# KiCad board dsp-amplifier-x4.kicad_pcb (continued)
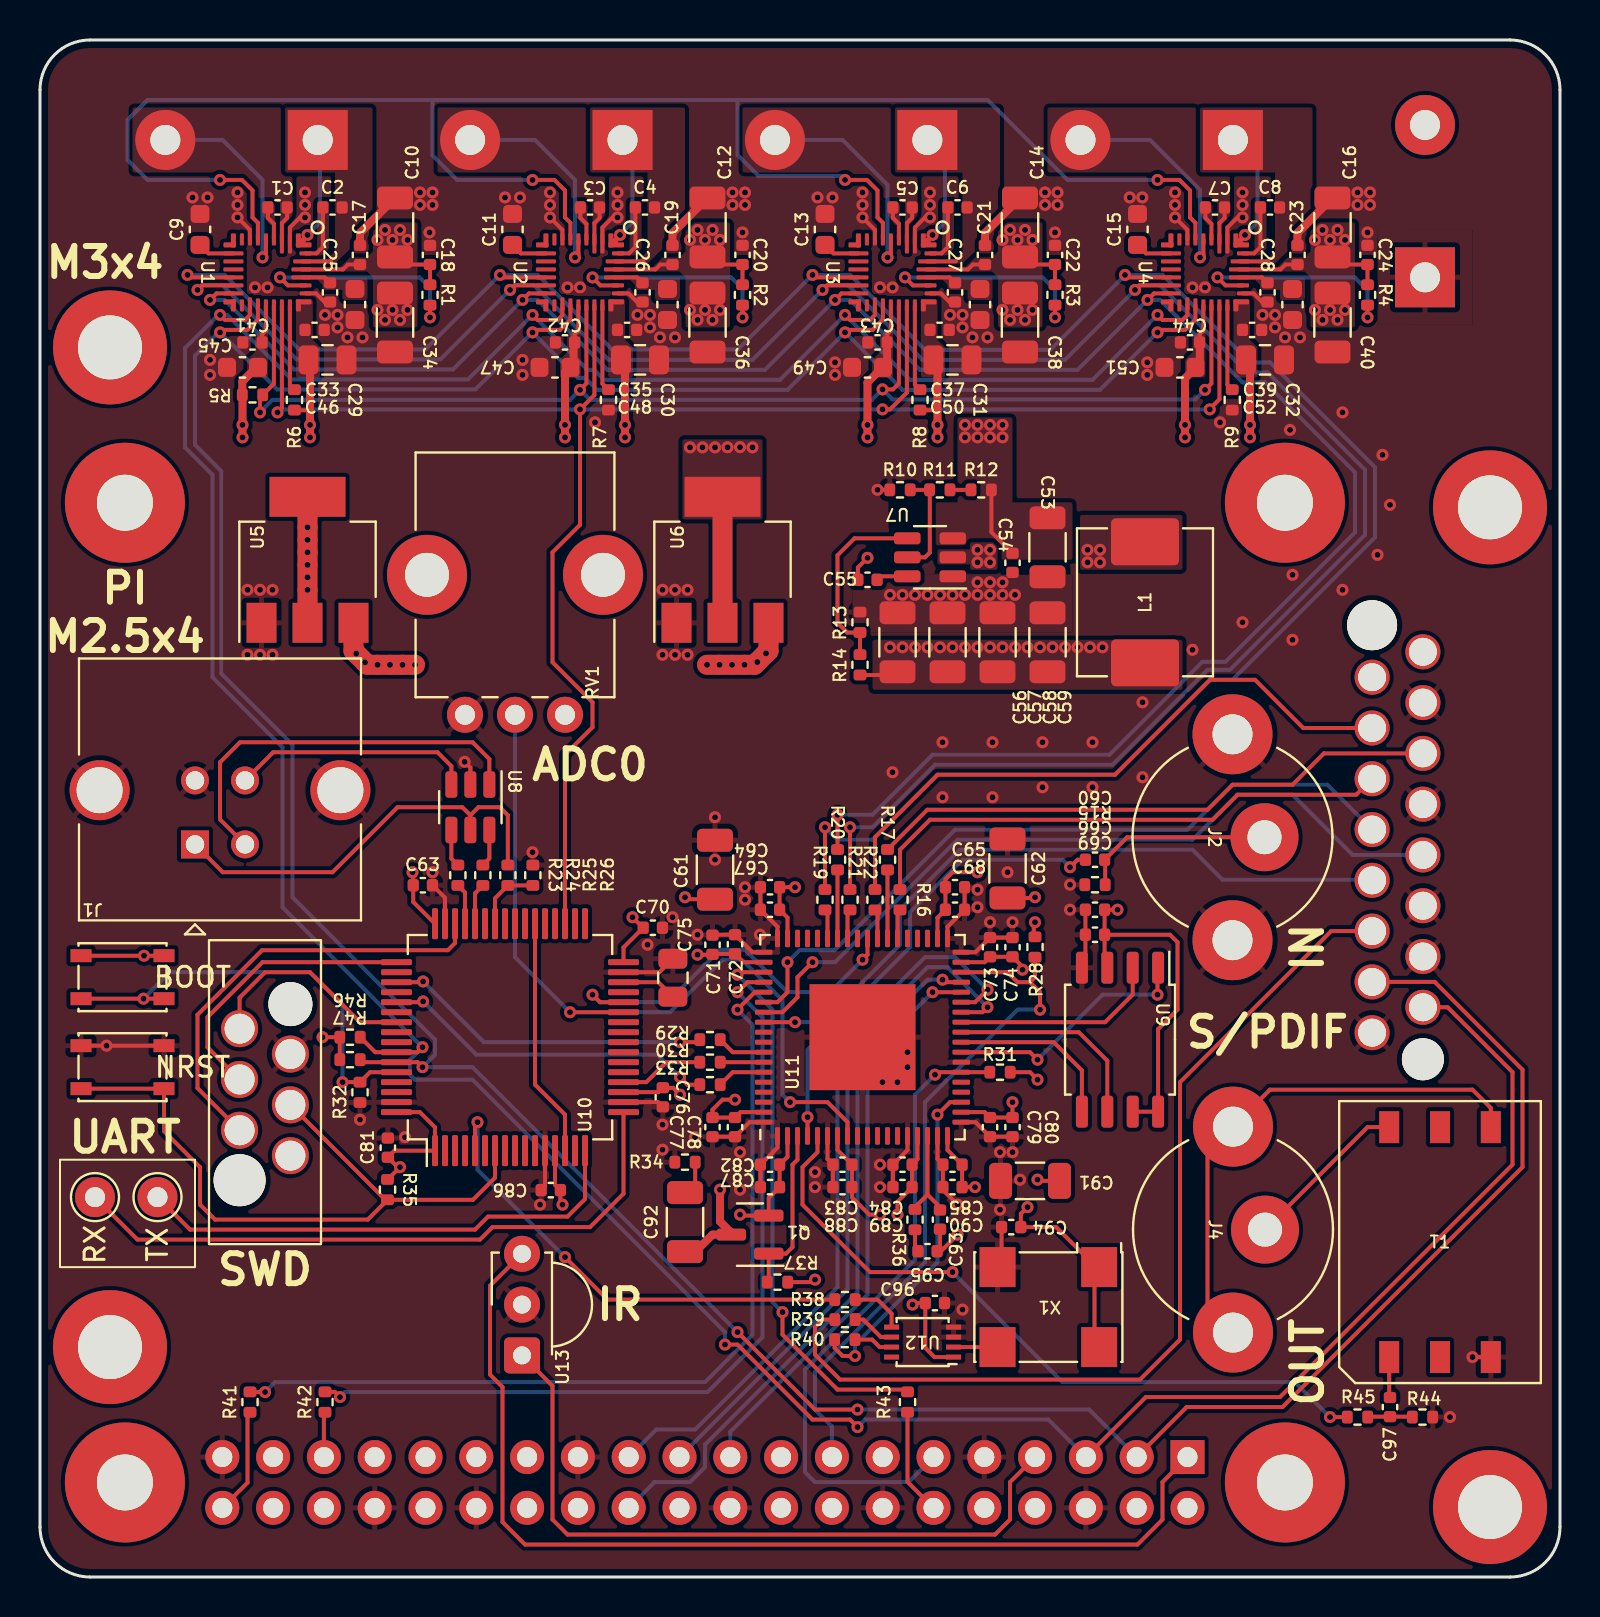
[diagram p0: board, top side]
## Copper pours and planes (outline as drawn; the poured copper is in the pictures) (continued)
+3.3V on Top: 26,60.88 26.38,61.25 26.38,62.05 26.82,62.5 26.82,62.75 27.02,62.75 27.02,60 26,60
+3.3V on Top: 10.38,60.88 10.75,61.25 10.75,62.05 11.2,62.5 11.2,62.75 11.4,62.75 11.4,60 10.38,60
+3.3V on Top: 26,60.88 26.38,61.25 26.38,62.05 26.82,62.5 26.82,62.75 27.02,62.75 27.02,60 26,60
+3.3V on In2.Cu: 76,60.38 76,0 0,0 0,60.38
+5V on Top, In2.Cu: 41.62,46.88 57.12,46.88 57.12,44.38 41.62,44.38
+5V on In2.Cu: 76,0 53.5,0 53.5,9.62 63.12,9.62 63.12,44.38 15.12,44.38 15.12,46.88 76,46.88
/Amplifiers/I2S-AMP-2CH-A/VBAT on Top: 62,64.38 61,64.38 61,64.62 60.62,65 63.25,65 63.25,63.88 62,63.88
/Amplifiers/I2S-AMP-2CH-B/VBAT on Top: 46.38,64.38 45.38,64.38 45.38,64.62 45,65 47.62,65 47.62,63.88 46.38,63.88
/Amplifiers/I2S-AMP-2CH-C/VBAT on Top: 30.75,64.38 29.75,64.38 29.75,64.62 29.38,65 32,65 32,63.88 30.75,63.88
/Amplifiers/I2S-AMP-2CH-D/VBAT on Top: 15.12,64.38 14.12,64.38 14.12,64.62 13.75,65 16.38,65 16.38,63.88 15.12,63.88
/DVDD on In2.Cu: 49.62,30.75 49.12,23.25 33.38,18.62 37.38,35.12
GND on Top: 44.88,67.62 44.12,67.62 44.12,69.62 44.88,69.62
GND on Top: 60.12,63.62 56.5,63.62 56.5,66.88 60.12,66.88
GND on Top: 13.25,63.62 9.62,63.62 9.62,66.88 13.25,66.88
GND on Top: 13.25,63.62 9.62,63.62 9.62,66.88 13.25,66.88
GND on Top: 44.5,63.62 40.88,63.62 40.88,66.88 44.5,66.88
GND on Top: 68.5,57.62 3.12,57.62 3.12,74.25 68.5,74.25
GND on Top: 28.88,63.62 25.25,63.62 25.25,66.88 28.88,66.88
GND on Top: 51.62,47.25 40.62,47.25 40.62,50.12 51.62,50.12
GND on Top: 60.12,63.62 56.5,63.62 56.5,66.88 60.12,66.88
GND on Top: 28.88,63.62 25.25,63.62 25.25,66.88 28.88,66.88
GND on Top: 44.88,67.62 44.12,67.62 44.12,69.62 44.88,69.62
GND on Top: 44.88,67.62 44.12,67.62 44.12,69.62 44.88,69.62
GND on Top: 13.25,63.62 9.62,63.62 9.62,66.88 13.25,66.88
GND on Top: 41.5,67.62 40.75,67.62 40.75,69.62 41.5,69.62
GND on Top: 44.5,63.62 40.88,63.62 40.88,66.88 44.5,66.88
GND on Top: 60.12,63.62 56.5,63.62 56.5,66.88 60.12,66.88
GND on Top: 41.5,67.62 40.75,67.62 40.75,69.62 41.5,69.62
GND on Top: 41.5,67.62 40.75,67.62 40.75,69.62 41.5,69.62
GND on Top: 44.5,63.62 40.88,63.62 40.88,66.88 44.5,66.88
GND on Top: 28.88,63.62 25.25,63.62 25.25,66.88 28.88,66.88
GND on Top, Bottom: 71.62,62.62 66.88,62.62 66.88,67.38 71.62,67.38
GND on Top, Bottom, In1.Cu: 76,0 0,0 0,76.88 76,76.88
/Amplifiers/I2S-AMP-2CH-A/SKP_OUTA+ on Top: 59.5,68.12 59.12,67.62 58.88,67.62 58.88,68.75 57.5,68.75 56,70.25 50.38,70.25 50.38,73.5 59.5,73.5
/Amplifiers/I2S-AMP-2CH-A/SKP_OUTA- on Top: 58,70.25 58,73.5 63.62,73.5 63.62,67.5 61.75,65.7 60.88,65.7 60.88,65.9 61.35,65.9 61.75,66.3 61.75,70.25
/Amplifiers/I2S-AMP-2CH-B/SKP_OUTA+ on Top: 43.88,68.12 43.5,67.62 43.25,67.62 43.25,68.75 41.88,68.75 40.38,70.25 35.12,70.25 35.12,73.5 43.88,73.5
/Amplifiers/I2S-AMP-2CH-B/SKP_OUTA- on Top: 42.75,70.25 42.75,73.5 48,73.5 48,67.5 46.12,65.7 45.25,65.7 45.25,65.9 45.73,65.9 46.12,66.3 46.12,70.25
/Amplifiers/I2S-AMP-2CH-C/SKP_OUTA+ on Top: 28.25,68.12 27.88,67.62 27.62,67.62 27.62,68.75 26.25,68.75 24.75,70.25 19.88,70.25 19.88,73.5 28.25,73.5
/Amplifiers/I2S-AMP-2CH-C/SKP_OUTA- on Top: 27.5,70.25 27.5,73.5 32.25,73.5 32.25,67.5 30.38,65.7 29.5,65.7 29.5,65.9 29.98,65.9 30.38,66.3 30.38,70.25
/Amplifiers/I2S-AMP-2CH-D/SKP_OUTA+ on Top: 12.62,68.12 12.25,67.62 12,67.62 12,68.75 10.62,68.75 9.12,70.25 4.62,70.25 4.62,73.5 12.62,73.5
/Amplifiers/I2S-AMP-2CH-D/SKP_OUTA- on Top: 12.25,70.25 12.25,73.5 16.62,73.5 16.62,67.5 14.75,65.7 13.88,65.7 13.88,65.9 14.35,65.9 14.75,66.3 14.75,70.25
VPP on Top: 65.75,67.75 65.75,62.5 63.52,62.5 63.52,65 63.23,65.3 61.88,65.3 61.88,65.5 62.38,66 63.23,66 63.52,66.3 63.52,67.75
VPP on Top: 50.12,67.75 50.12,62.5 47.9,62.5 47.9,65 47.6,65.3 46.25,65.3 46.25,65.5 46.75,66 47.6,66 47.9,66.3 47.9,67.75
VPP on Top: 34.5,67.75 34.5,62.5 32.27,62.5 32.27,65 31.98,65.3 30.62,65.3 30.62,65.5 31.12,66 31.98,66 32.27,66.3 32.27,67.75
VPP on Top: 18.88,67.75 18.88,62.5 16.65,62.5 16.65,65 16.35,65.3 15,65.3 15,65.5 15.5,66 16.35,66 16.65,66.3 16.65,67.75
VPP on Top: 48.62,53.12 45.88,53.12 45.88,58 48.62,58
VPP on Top: 42.62,53.75 51.62,53.75 51.62,50.88 42.62,50.88
VPP on In2.Cu: 76,60.5 48.62,60.5 48.62,56.5 45.88,56.5 45.88,60.5 0,60.5 0,76.88 76,76.88
Net-(C2-Pad1) on Top: 13.75,66.1 13.75,66.3 13.85,66.4 13.85,68.83 14.45,68.83 14.45,66.45 14.1,66.1
Net-(C4-Pad1) on Top: 29.38,66.1 29.38,66.3 29.48,66.4 29.48,68.83 30.07,68.83 30.07,66.45 29.73,66.1
Net-(C6-Pad1) on Top: 45,66.1 45,66.3 45.1,66.4 45.1,68.83 45.7,68.83 45.7,66.45 45.35,66.1
Net-(C8-Pad1) on Top: 60.62,66.1 60.62,66.3 60.73,66.4 60.73,68.83 61.33,68.83 61.33,66.45 60.98,66.1
Net-(C55-Pad1) on Top: 46.5,50.65 44.88,50.65 44.88,51.4 46.5,51.4 46.5,51.75 47.88,51.75 47.88,50.38 46.5,50.38
Net-(C55-Pad1) on Top: 52,53.12 57.12,53.12 57.12,50.38 52,50.38
Net-(C55-Pad1) on Bottom: 40.38,51.75 53.38,51.75 53.38,50.38 40.38,50.38

Small or netless copper shapes (teardrops, artwork), in the pictures only: 4 on Top

## Text on the board
B.Mask: blus / mini b / af 23
B.Silkscreen: max. 24 V | -  D  + | -  C  + | -  B  + | -  A  + | EXT | + DC -
F.Silkscreen: M3x4 | PI / M2.5x4 | UART | SWD | ADC0 | IR | S/PDIF | IN | OUT
